# Altium PCB PCB1.PcbDoc
Units mm, origin at the board's own origin, x right, y up, seen from the top; angles counter-clockwise.
Board outline 91 x 73 mm, 2 copper layers (Top Layer, Bottom Layer); 66 components, 111 nets, 389 pads, 36 vias.
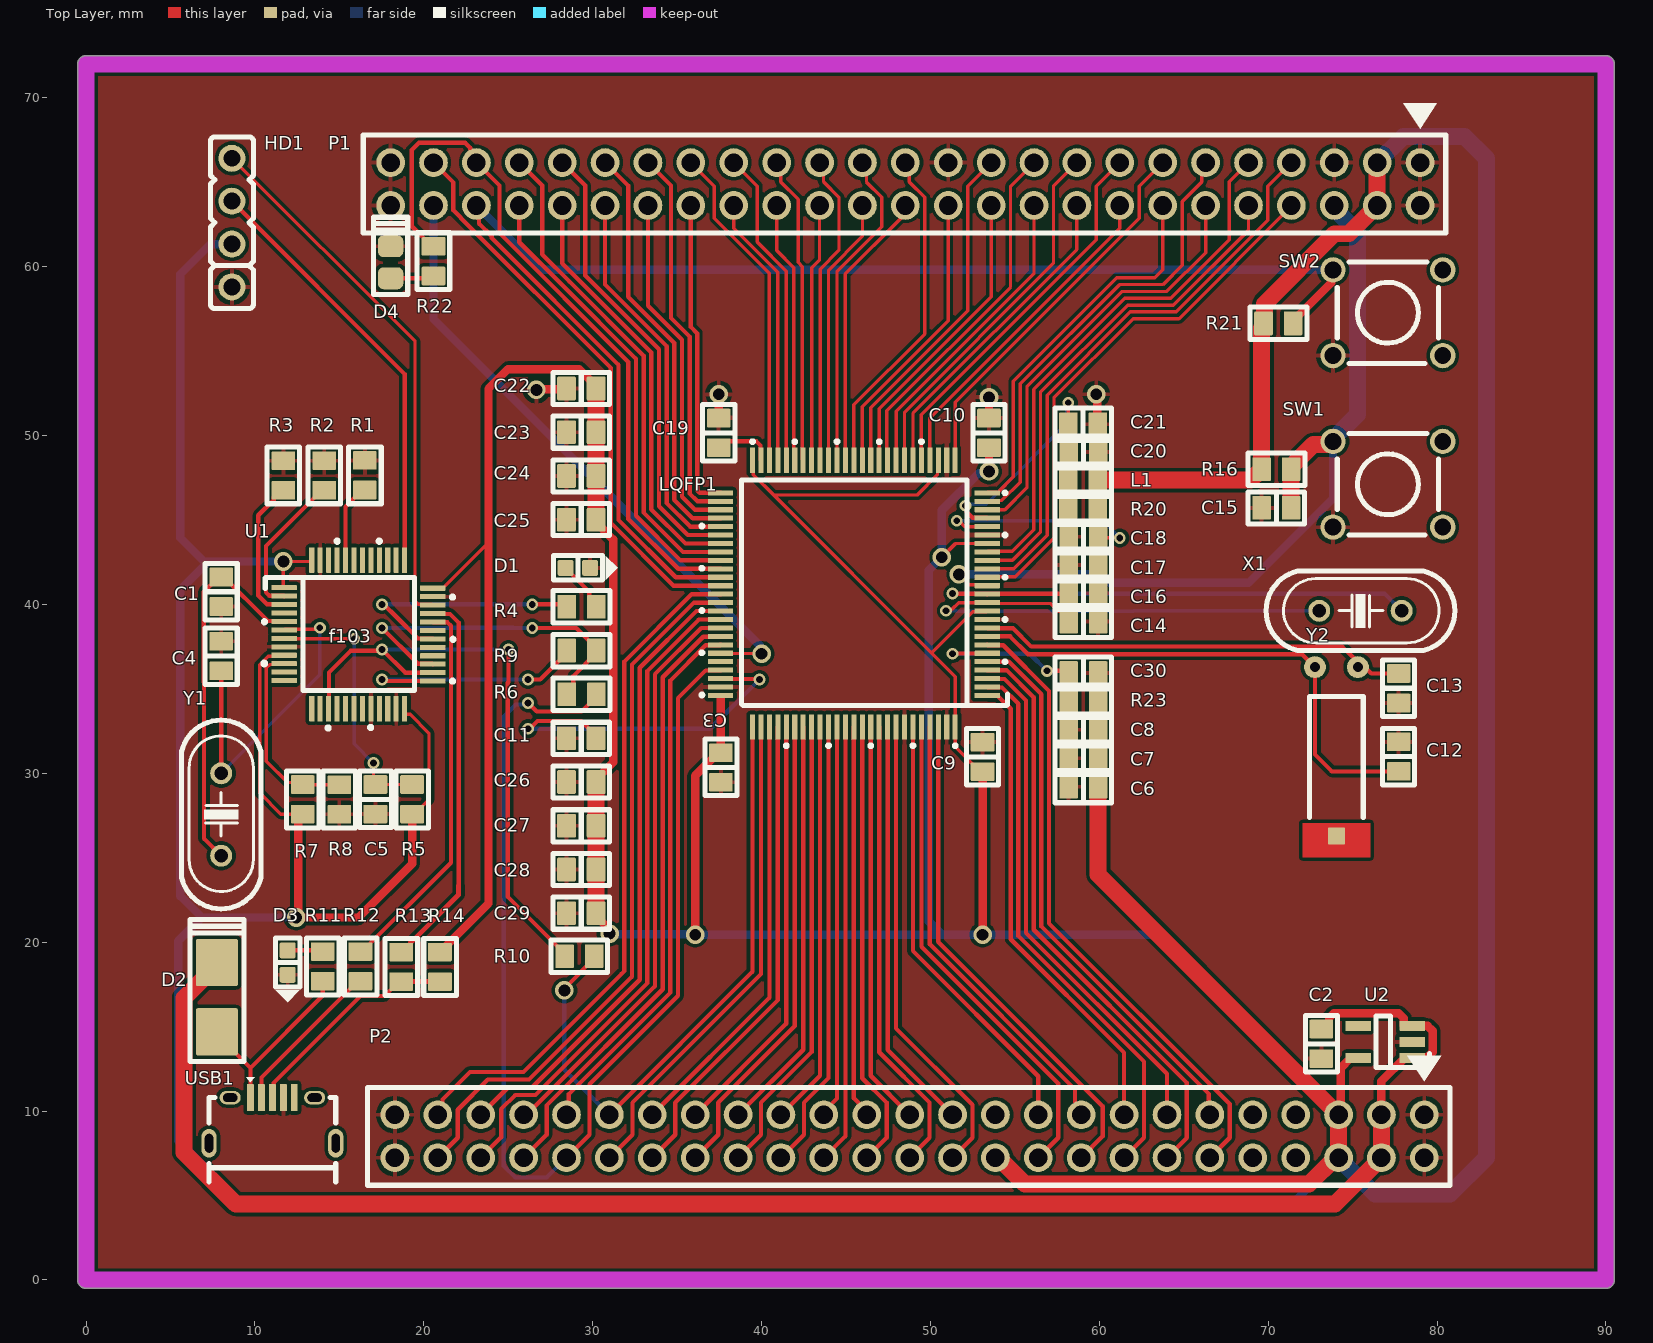
[diagram p0: Top Layer view]
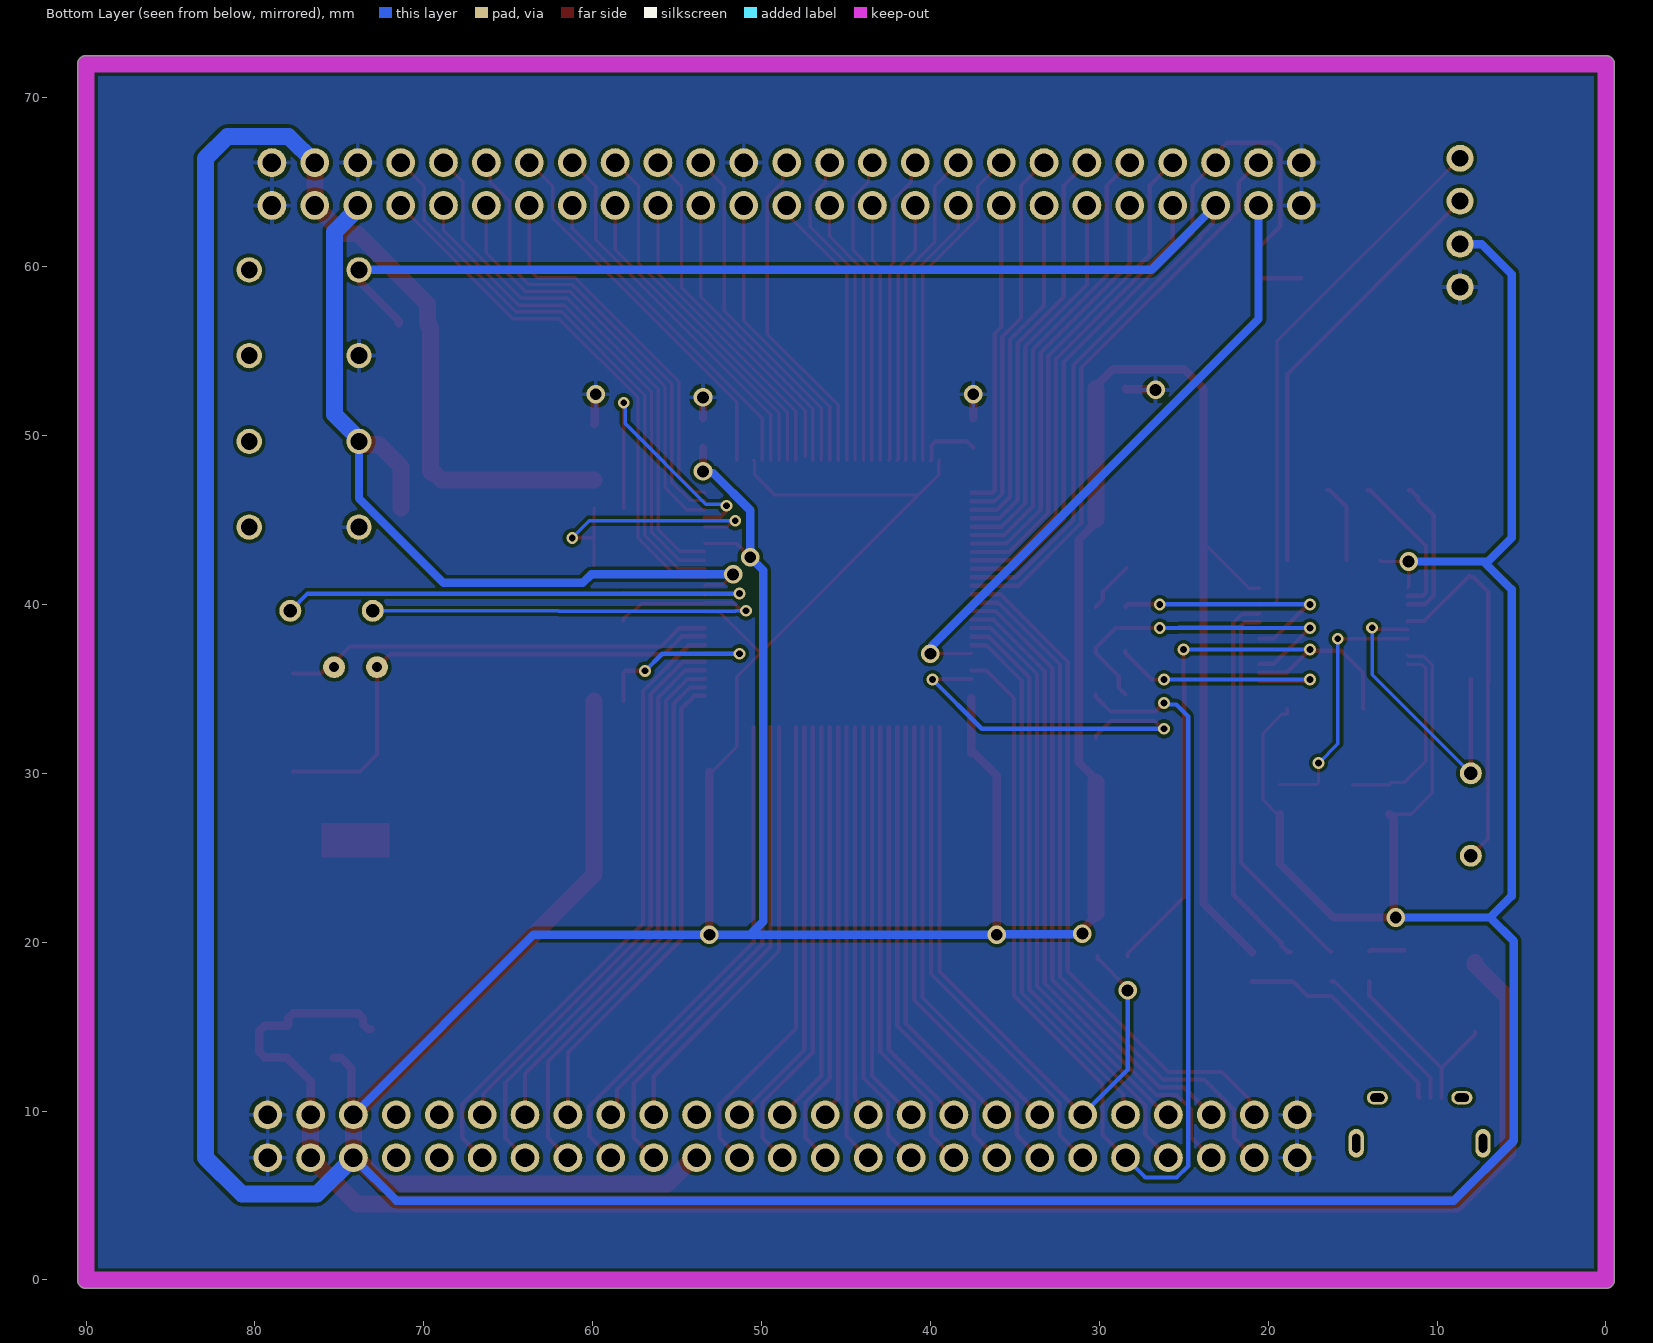
[diagram p1: Bottom Layer view, seen from below]

## Layer stack, top to bottom
Top Solder: solder mask 0.0102, Solder Resist, Dk 3.5
Top Layer: signal copper 0.0356
Dielectric 1: dielectric 0.32, FR-4, Dk 4.8
Bottom Layer: signal copper 0.0356
Bottom Solder: solder mask 0.0102, Solder Resist, Dk 3.5

## Board outline
0,-0.5 cw(c0,0) -0.5,0 -0.5,72 cw(c0,72) 0,72.5 90,72.5 cw(c90,72) 90.5,72 90.5,0 cw(c90,0) 90,-0.5

## Design rules (kind name [scope] priority, off if disabled: settings)
Clearance [All] p1: gap=0.2 ignorepadtopadclearanceinfootprint=FALSE
PlaneConnect [All] p1: planeconnectstyle=Relief reliefexpansion=0.3 reliefentries=4 reliefconductorwidth=0.2 reliefairgap=0.2
PolygonConnect [All] p1: connectstyle=Relief reliefconductorwidth=0.254 reliefentries=4 polygonreliefangle="90 Angle" airgapwidth=0.254
RoutingVias RoutingVias_power [InNetClass('power')] p1: holewidth=0.7 width=1.1 viastyle="Through Hole" minholewidth=0.7 minwidth=1.1 maxholewidth=0.7 maxwidth=1.1
RoutingVias RoutingVias_signal [All] p2: holewidth=0.4 width=0.7 viastyle="Through Hole" minholewidth=0.4 minwidth=0.7 maxholewidth=0.4 maxwidth=0.7
SolderMaskExpansion [All] p1: expansion=0.102 istentingtop=FALSE
Width Width_power [InNetClass('power')] p1: maxlimit=1 minlimit=0.2 preferedwidth=0.5
Width Width_signal [All] p2: maxlimit=0.5 minlimit=0.2 preferedwidth=0.3
29 further rules are at their usual default settings.

## Classes and differential pairs
net class power: +3V3 +5V GND NRST PA0 PA1 PA2 PA3 PA4 PA5 PA6 PA7 PA8 PA9 PA10 PA11 PA15 PB0 PB1 PB2 PB3 PB4 PB5 PB6 PB7 PB8 PB9 PB10 PB11 PB12 PB13 PB14 PB15 PC0 PC1 PC2 PC3 PC4 PC5 PC6 PC7 PC8 PC9 PC10 PC11 PC12 PC13 PD0 PD1 PD2 PD3 PD4 PD5 PD6 PD7 PD8 PD9 PD10 PD11 PD12 PD13 PD14 PD15 PE0 PE1 PE2 PE3 PE4 PE5 PE6 PE7 PE8 PE9 PE10 PE11 PE12 PE13 PE14 PE15 ST_SWCLK ST_SWDIO SWCLK
component class Sheet3: C11 C12 C13 C14 C15 C16 C17 C18 C19 C20 C21 C22 C23 C24 C25 C26 C27 C28 C29 C30 D4 L1 R16 R20 R21 R22 R23 SW1 SW2 X1 Y2
component class Sheet2: C1 C2 C3 C4 C5 C6 C7 C8 C9 C10 D1 D2 D3 HD1 R1 R2 R3 R4 R5 R6 R7 R8 R9 R10 R11 R12 R13 R14 U1 U2 USB1 Y1
component class Sheet1: P1 P2

## Components (designator, comment, footprint, x,y, rotation, side; value= is the part's Value field where it differs from the comment)
C1 "Cap" "Cap Ceramic 0805 SMD" 8.001,40.753 r90 top value=22pF
C2 "Cap" "Cap Ceramic 0805 SMD" 73.152,13.984 r90 top value=0.1uF
C3 "Cap" "Cap Ceramic 0805 SMD" 37.592,30.353 r90 top value=0.1uF
C4 "Cap" "Cap Ceramic 0805 SMD" 8.001,36.943 r270 top value=22pF
C5 "Cap" "Cap Ceramic 0805 SMD" 17.135,28.463 r270 top value=100nF
C6 "Cap" "Cap Ceramic 0805 SMD" 59.055,29.21 r0 top value=100nF
C7 "Cap" "Cap Ceramic 0805 SMD" 59.055,30.893 r0 top value=100nF
C8 "Cap" "Cap Ceramic 0805 SMD" 59.055,32.575 r0 top value=100nF
C9 "Cap" "Cap Ceramic 0805 SMD" 53.086,30.974 r270 top value=100nF
C10 "Cap" "Cap Ceramic 0805 SMD" 53.467,50.165 r270 top value=100nF
C11 "2.2uF" "Cap Ceramic 0805 SMD" 29.323,32.075 r0 top
C12 "6.8pF" "Cap Ceramic 0805 SMD" 77.724,30.988 r90 top
C13 "6.8pF" "Cap Ceramic 0805 SMD" 77.724,35.038 r270 top
C14 "20pF" "Cap Ceramic 0805 SMD" 59.055,38.989 r0 top
C15 "10nF/50V/C0603/10%" "Cap Ceramic 0805 SMD" 70.485,45.72 r0 top
C16 "20pF" "Cap Ceramic 0805 SMD" 59.055,40.661 r0 top
C17 "1uF" "Cap Ceramic 0805 SMD" 59.055,42.333 r0 top
C18 "100nF" "Cap Ceramic 0805 SMD" 59.055,44.005 r0 top
C19 "2.2uF" "Cap Ceramic 0805 SMD" 37.465,50.165 r270 top
C20 "1uF" "Cap Ceramic 0805 SMD" 59.055,49.022 r0 top
C21 "100nF" "Cap Ceramic 0805 SMD" 59.041,50.673 r0 top
C22 "100nF" "Cap Ceramic 0805 SMD" 29.323,52.79 r0 top
C23 "100nF" "Cap Ceramic 0805 SMD" 29.323,50.2 r0 top
C24 "100nF" "Cap Ceramic 0805 SMD" 29.323,47.611 r0 top
C25 "100nF" "Cap Ceramic 0805 SMD" 29.323,45.021 r0 top
C26 "100nF" "Cap Ceramic 0805 SMD" 29.323,29.485 r0 top
C27 "100nF" "Cap Ceramic 0805 SMD" 29.323,26.896 r0 top
C28 "100nF" "Cap Ceramic 0805 SMD" 29.323,24.306 r0 top
C29 "100nF" "Cap Ceramic 0805 SMD" 29.323,21.717 r0 top
C30 "1uF" "Cap Ceramic 0805 SMD" 59.055,35.941 r180 top
D1 "GREEN 0603" "LED 0603 SMD" 29.12,42.164 r0 top
D2 "1N4007_SMD" "1n4007 smd DO214" 7.747,16.746 r90 top
D3 "GREEN 0603" "LED 0603 SMD" 11.938,18.796 r270 top
D4 "GREEN 0603" "Led 0805G" 18.034,60.264 r90 top
HD1 "Programer ST_LINK" Header_4 8.636,62.611 r90 top value="Header 4"
L1 "150mH" "Res 0805 SMD" 59.04,47.36 r180 top value="150 mH"
LQFP1 "STM32F407VG_Q" STM32F407VG 45.466,40.64 r180 top
P1 "Header25*2" hearder25doi 78.994,66.167 r270 top
P2 "Header25*2" hearder25doi 79.248,9.779 r270 top
R1 "Res2" "Res 0805 SMD" 16.51,47.654 r90 top value=100K
R2 "Res2" "Res 0805 SMD" 14.102,47.639 r270 top value=10K
R3 "Res2" "Res 0805 SMD" 11.684,47.639 r270 top value=10K
R4 "Res2" "Res 0805 SMD" 29.338,39.863 r0 top value=100R
R5 "Res2" "Res 0805 SMD" 19.304,28.463 r90 top value=100k
R6 "Res2" "Res 0805 SMD" 29.338,34.684 r0 top value=22R
R7 "Res2" "Res 0805 SMD" 12.827,28.463 r90 top value=4K7
R8 "Res2" "Res 0805 SMD" 14.996,28.448 r270 top value=4K7
R9 "Res2" "Res 0805 SMD" 29.338,37.273 r0 top value=100R
R10 "Res2" "Res 0805 SMD" 29.21,19.177 r0 top value=22R
R11 "Res2" "Res 0805 SMD" 14.019,18.571 r90 top value=22E
R12 "Res2" "Res 0805 SMD" 16.247,18.571 r90 top value=22E
R13 "Res2" "Res 0805 SMD" 18.669,18.542 r90 top value=22E
R14 "Res2" "Res 0805 SMD" 20.955,18.542 r90 top value=22E
R16 "15K/R0603/1%" "Res 0805 SMD" 70.485,48.006 r180 top
R20 "47" "Res 0805 SMD" 59.04,45.688 r180 top
R21 "10K" "Res 0805 SMD" 70.598,56.642 r180 top
R22 "Res2" "Res 0805 SMD" 20.574,60.325 r270 top value=22
R23 "0" "Res 0805 SMD" 59.055,34.278 r0 top
SW1 "SW" "BUTTON 4 PIN" 77.089,47.117 r0 top value="SW chip 2 pin"
SW2 "SW" "BUTTON 4 PIN" 77.089,57.277 r0 top value="SW chip 2 pin"
U1 "STM32F103C8T6_Q" STM32F103C8T6_Q 16.129,38.227 r0 top
U2 "TLV73333PDBVR" "TLV73333PDBVR - SOT23-65" 76.835,14.097 r90 top
USB1 "USB_TYPE_B" USB_MICRO_B 9.734,10.795 r0 top
X1 "8Mhz" CRYSTAL 75.465,39.624 r180 top value=32,768khz
Y1 "8MHz" CRYSTAL 8.001,27.559 r270 top
Y2 "FC-135R - 32.768KHz" CR_32768 74.041,36.289 r180 top value=32.768KHz

## Footprints (in the part's own frame and the unit in brackets; to place one, negate y for a bottom-side part, rotate by r counter-clockwise, add the part's x,y. Pads: shape width x height; smd on the part's side, far side on the other; paste and mask are expansions set on the pad)
"1n4007 smd DO214" [mm] "DO214 4.57x2.79mm"
  rrect10% 2.8x2.5 smd mask+0.1: 1(-2.05,0) 2(2.05,0)
  silkscreen extent -3.8,-1.6 4.6,1.6, body extent -2.6,-1.3 2.6,1.3, height 2.5
"BUTTON 4 PIN" [mm] "4PIN 6X6MM"
  round 1.5 hole 1: 1(-3.25,2.54) 2(3.25,2.54) 3(-3.25,-2.54) 4(3.25,-2.54)
  silkscreen extent -3,-3 3,3, body extent -4,-3 3.97,3, height 4.9
"Cap Ceramic 0805 SMD" [mm] "Reflow Soldering"
  rrect10% 1.1x1.4 smd mask+0.1: 1(-0.875,0) 2(0.875,0)
  silkscreen extent -1.68,-0.95 1.68,0.95, body extent -1,-0.63 1,0.62, height 0.65
CR_32768 [mm] "32.768 KHz LOW FREQUENCY CYLINDRICALWATCH CRYSTAL"
  rrect10% 1x1 smd mask+0.1: 0(0,10)
  round 1.3 hole 0.6 mask+0.1: 1(-1.27,0) 2(1.27,0)
  Top Layer region: -2,9.25 -2,11.25 2,11.25 2,9.25
  silkscreen extent -1.59,1.75 1.59,8.9, body extent -1.73,-0.6 1.73,10.18, height 3.2
CRYSTAL [mm] "Quartz Crystal, Thru-Hole; 2 Leads; Body 11.35 x 4.65 x 13.46 mm (LxWxH max)"
  round 1.3 hole 0.8 mask+0.1: 1(-2.44,0) 2(2.44,0)
  silkscreen extent -5.59,-2.35 5.59,2.35, body extent -5.49,-2.25 5.49,2.25, height 3.6
Header_4 [mm] "Connector DIP, 4Pin_2.54mm"
  round 1.6 hole 1 mask+0.1: 1(-3.81,0) 2(-1.27,0) 3(1.27,0) 4(3.81,0)
  silkscreen extent -5.08,-1.28 5.08,1.28, body extent -5.08,-1.27 5.08,1.27, height 10.1
hearder25doi [mm] "50c"
  round 1.7 hole 1.1 mask+0.1: 1(0,0) 2(0,-2.54) 3(0,-5.08) 4(0,-7.62) 5(0,-10.16) 6(0,-12.7) 7(0,-15.24) 8(0,-17.78) 9(0,-20.32) 10(0,-22.86) 11(0,-25.4) 12(0,-27.94) 13(0,-30.48) 14(0,-33.02) 15(0,-35.56) 16(0,-38.1) 17(0,-40.64) 18(0,-43.18) 19(0,-45.72) 20(0,-48.26) 21(0,-50.8) 22(0,-53.34) 23(0,-55.88) 24(0,-58.42) 25(0,-60.96) 26(2.54,-60.96) 27(2.54,-58.42) 28(2.54,-55.88) 29(2.54,-53.34) 30(2.54,-50.8) 31(2.54,-48.26) 32(2.54,-45.72) 33(2.54,-43.18) 34(2.54,-40.64) 35(2.54,-38.1) 36(2.54,-35.56) 37(2.54,-33.02) 38(2.54,-30.48) 39(2.54,-27.94) 40(2.54,-25.4) 41(2.54,-22.86) 42(2.54,-20.32) 43(2.54,-17.78) 44(2.54,-15.24) 45(2.54,-12.7) 46(2.54,-10.16) 47(2.54,-7.62) 48(2.54,-5.08) 49(2.54,-2.54) 50(2.54,0)
  silkscreen extent -3.5,-62.58 4.17,1.52, body extent -1.13,-62.04 3.95,1.42, height 7.25
"LED 0603 SMD" [mm] "Reflow Soldering"
  rrect25% 0.95x0.95 smd mask+0.1: 1(-0.725,0) 2(0.725,0)
  silkscreen extent -1.45,-0.73 2.35,0.73, body extent -0.85,-0.45 0.85,0.45, height 0.9
"Led 0805G" [mm] "Chip LED; Green; Body 2.0 x 1.3 mm (LxW typ)"
  rrect50% 1.3x1.5 smd: 1(-0.95,0) 2(0.95,0)
  silkscreen extent -1.91,-1.02 2.67,1.02, body extent -1.04,-0.62 0.98,0.62, height 1.1
"Res 0805 SMD" [mm] "Reflow Soldering"
  rrect10% 1.1x1.4 smd mask+0.1: 1(-0.875,0) 2(0.875,0)
  silkscreen extent -1.69,-0.97 1.67,0.96, body extent -1,-0.62 1,0.63, height 0.62
STM32F103C8T6_Q [mm] "LQFP48"
  rrect10% 1.5x0.3 smd mask+0.07: 1(-4.4,2.765) 2(-4.4,2.265) 3(-4.4,1.765) 4(-4.4,1.265) 5(-4.4,0.765) 6(-4.4,0.265) 7(-4.4,-0.235) 8(-4.4,-0.735) 9(-4.4,-1.235) 10(-4.4,-1.735) 11(-4.4,-2.235) 12(-4.4,-2.735) 25(4.4,-2.765) 26(4.4,-2.265) 27(4.4,-1.765) 28(4.4,-1.265) 29(4.4,-0.765) 30(4.4,-0.265) 31(4.4,0.235) 32(4.4,0.735) 33(4.4,1.235) 34(4.4,1.735) 35(4.4,2.235) 36(4.4,2.735)
  rrect10% 0.3x1.5 smd mask+0.07: 13(-2.765,-4.4) 14(-2.265,-4.4) 15(-1.765,-4.4) 16(-1.265,-4.4) 17(-0.765,-4.4) 18(-0.265,-4.4) 19(0.235,-4.4) 20(0.735,-4.4) 21(1.235,-4.4) 22(1.735,-4.4) 23(2.235,-4.4) 24(2.735,-4.4) 37(2.735,4.4) 38(2.235,4.4) 39(1.735,4.4) 40(1.235,4.4) 41(0.735,4.4) 42(0.235,4.4) 43(-0.265,4.4) 44(-0.765,4.4) 45(-1.265,4.4) 46(-1.765,4.4) 47(-2.265,4.4) 48(-2.765,4.4)
  silkscreen extent -5.66,-5.6 5.65,5.58, body extent -4.5,-4.5 4.5,4.5, height 1.3
STM32F407VG [mm] "LQFP100"
  rrect10% 1.5x0.3 smd mask+0.07: 1(-7.9,6.03) 2(-7.9,5.53) 3(-7.9,5.03) 4(-7.9,4.53) 5(-7.9,4.03) 6(-7.9,3.53) 7(-7.9,3.03) 8(-7.9,2.53) 9(-7.9,2.03) 10(-7.9,1.53) 11(-7.9,1.03) 12(-7.9,0.53) 13(-7.9,0.03) 14(-7.9,-0.47) 15(-7.9,-0.97) 16(-7.9,-1.47) 17(-7.9,-1.97) 18(-7.9,-2.47) 19(-7.9,-2.97) 20(-7.9,-3.47) 21(-7.9,-3.97) 22(-7.9,-4.47) 23(-7.9,-4.97) 24(-7.9,-5.47) 25(-7.9,-5.97) 51(7.9,-5.97) 52(7.9,-5.47) 53(7.9,-4.97) 54(7.9,-4.47) 55(7.9,-3.97) 56(7.9,-3.47) 57(7.9,-2.97) 58(7.9,-2.47) 59(7.9,-1.97) 60(7.9,-1.47) 61(7.9,-0.97) 62(7.9,-0.47) 63(7.9,0.03) 64(7.9,0.53) 65(7.9,1.03) 66(7.9,1.53) 67(7.9,2.03) 68(7.9,2.53) 69(7.9,3.03) 70(7.9,3.53) 71(7.9,4.03) 72(7.9,4.53) 73(7.9,5.03) 74(7.9,5.53) 75(7.9,6.03)
  rrect10% 0.3x1.5 smd mask+0.07: 26(-6,-7.9) 27(-5.5,-7.9) 28(-5,-7.9) 29(-4.5,-7.9) 30(-4,-7.9) 31(-3.5,-7.9) 32(-3,-7.9) 33(-2.5,-7.9) 34(-2,-7.9) 35(-1.5,-7.9) 36(-1,-7.9) 37(-0.5,-7.9) 38(0,-7.9) 39(0.5,-7.9) 40(1,-7.9) 41(1.5,-7.9) 42(2,-7.9) 43(2.5,-7.9) 44(3,-7.9) 45(3.5,-7.9) 46(4,-7.9) 47(4.5,-7.9) 48(5,-7.9) 49(5.5,-7.9) 50(6,-7.9) 76(6,7.9) 77(5.5,7.9) 78(5,7.9) 79(4.5,7.9) 80(4,7.9) 81(3.5,7.9) 82(3,7.9) 83(2.5,7.9) 84(2,7.9) 85(1.5,7.9) 86(1,7.9) 87(0.5,7.9) 88(0,7.9) 89(-0.5,7.9) 90(-1,7.9) 91(-1.5,7.9) 92(-2,7.9) 93(-2.5,7.9) 94(-3,7.9) 95(-3.5,7.9) 96(-4,7.9) 97(-4.5,7.9) 98(-5,7.9) 99(-5.5,7.9) 100(-6,7.9)
  silkscreen extent -9.1,-9.05 9.05,9.05, body extent -8.07,-8.07 8.07,8.07, height 1.62
"TLV73333PDBVR - SOT23-65" [mm] "IC REG LINEAR 3.3V 300MA SOT23-5"
  rrect10% 0.6x1.5 smd: 1(-0.95,-1.7) 2(0,-1.7) 3(0.95,-1.7) 4(0.95,1.5) 5(-0.95,1.5)
  silkscreen extent -1.53,-2.73 1.53,0.46, body extent -1.5,-1.25 1.5,1.25, height 0.95
USB_MICRO_B [mm] "USB_MICRO_B, banlinhkien"
  rrect10% 0.4x1.6 smd: 1(0,0) 2(0.65,0) 3(1.3,0) 4(1.95,0) 5(2.6,0)
  oval 0.9x1.7 hole 0.5 slot 1.1 at 90 deg: ""(-2.45,-2.7) ""(5.05,-2.7)
  oval 1.25x0.8 hole 0.85 slot 0.5 at 90 deg: ""(-1.2,0) ""(3.8,0)
  silkscreen extent -2.45,-5 5.05,1.22, body extent -2.45,-5 5.05,0.29, height 2.61

## Part data
C1 C2 C3 C4 C5 C6 C7 C8 C9 C10: "Capacitor", LatestRevisionDate=17-Jul-2002, LatestRevisionNote="Re-released for DXP Platform.", PackageReference=RAD-0.3, Published=8-Jun-2000, Publisher="Altium Limited"
C11 C12 C13 C14 C16 C17 C18 C19 C20 C21 C22 C23 C24 C25 C26 C27 C28 C29 C30: library part 22pF/50V/C0603/10%, "CAP CER 22PF 50V NP0 0603", Capacitance=22pF, Manufacturer=Kemet, Manufacturer Part Number=C0603C220K5GACTU, Operating Temperature="-55°C ~ 125°C", Package / Case="0603 (1608 Metric)", Ratings=-, Supplier Part Number 1=399-7875-1-ND, Temperature Coefficient="C0G, NP0", Tolerance=±10%, Voltage - Rated=50V, Applications="General Purpose", Category=Capacitors, ComponentLink1Description=http://www.kemet.com/docfinder?Partnumber=C0603C220K5GACTU, ComponentLink1URL=http://www.kemet.com/docfinder?Partnumber=C0603C220K5GACTU, Features=-, Height - Seated (Max)=-, Lead Spacing=-, Lead Style=-, Mounting Type="Surface Mount, MLCC", Packaging=Digi-Reel®, RoHS="RoHS Compliant", Size / Dimension="0.063\" L x 0.031\" W (1.60mm x 0.80mm)", Supplier 1=Digi-Key, Thickness (Max)="0.034\" (0.87mm)"
C15: library part 10nF/50V/C0603/10%_1, "CAP CER 10000PF 50V X7R 0603", Capacitance=10000pF, Manufacturer="Murata Electronics North America", Manufacturer Part Number=GRM188R71H103KA01D, Operating Temperature="-55°C ~ 125°C", Package / Case="0603 (1608 Metric)", Ratings=-, Supplier Part Number 1=490-1512-1-ND, Temperature Coefficient=X7R, Tolerance=±10%, Voltage - Rated=50V, Applications="General Purpose", Category=Capacitors, ComponentLink1Description=http://www.murata.com/~/media/webrenewal/support/library/catalog/products/capacitor/mlcc/c02e.ashx, ComponentLink1URL=http://www.murata.com/~/media/webrenewal/support/library/catalog/products/capacitor/mlcc/c02e.ashx, Features=-, Height - Seated (Max)=-, Lead Spacing=-, Lead Style=-, Mounting Type="Surface Mount, MLCC", Packaging="Cut Tape (CT)", RoHS="RoHS Compliant", Size / Dimension="0.063\" L x 0.031\" W (1.60mm x 0.80mm)", Supplier 1=Digi-Key, Thickness (Max)="0.035\" (0.90mm)"
D1 D3 D4: library part "LED GREEN 0603", "LED GREEN CLEAR 0603 SMD", Color=Green, Current - Test=20mA, Lens Color=Colorless, Manufacturer="Lite-On Inc.", Manufacturer Part Number=LTST-C190KGKT, Millicandela Rating=35mcd, Package / Case="0603 (1608 Metric)", Supplier Part Number 1=160-1435-1-ND, Voltage - Forward (Vf) (Typ)=2V, Category=Optoelectronics, ComponentLink1Description=http://optoelectronics.liteon.com/upload/download/DS22-2000-074/S_110_LTST-C190KGKT.pdf, ComponentLink1URL=http://optoelectronics.liteon.com/upload/download/DS22-2000-074/S_110_LTST-C190KGKT.pdf, Features=-, Height (Max)=0.80mm, Lens Style/Size="Rectangle with Flat Top, 1.10mm x 0.80mm", Lens Transparency=Clear, Mounting Type="Surface Mount", Packaging="Cut Tape (CT)", RoHS="RoHS Compliant", Size / Dimension="1.60mm L x 0.80mm W", Supplier 1=Digi-Key, Viewing Angle=130°, Wavelength - Dominant=571nm, Wavelength - Peak=574nm
D2: "Diode LS 1A 1000V DO214-AC", ComponentLink1Description=Datasheet, ComponentLink1URL="D:\Dropbox\Datasheets\Diodes and Rectifiers\Diodes\1N400X.pdf", Unit Price=0.0072
HD1: library part Header4, "Header 4"
L1: library part L1, "Inductor"
R1 R2 R3 R4 R5 R6 R7 R8 R9 R10 R11 R12 R13 R14 R22: "Resistor", LatestRevisionDate=17-Jul-2002, LatestRevisionNote="Re-released for DXP Platform.", PackageReference=AXIAL-0.4, Published=8-Jun-2000, Publisher="Altium Limited"
R16 R21: library part 15K/R0603/1%_1, "RES SMD 15K OHM 1% 1/10W 0603", Manufacturer=Yageo, Manufacturer Part Number=RC0603FR-0715KL, Operating Temperature="-55°C ~ 155°C", Package / Case="0603 (1608 Metric)", Power (Watts)="0.1W, 1/10W", Resistance (Ohms)=15k, Supplier Device Package=0603, Supplier Part Number 1=311-15.0KHRCT-ND, Temperature Coefficient=±100ppm/°C, Tolerance=±1%, Category=Resistors, ComponentLink1Description=http://www.yageo.com/NewPortal/yageodocoutput?fileName=/pdf/R-Chip/PYu-RC_Group_51_RoHS_L_3.pdf, ComponentLink1URL=http://www.yageo.com/NewPortal/yageodocoutput?fileName=/pdf/R-Chip/PYu-RC_Group_51_RoHS_L_3.pdf, Composition="Thick Film", Features="Moisture Resistant", Height="0.022\" (0.55mm)", Number of Terminations=2, Packaging=Digi-Reel®, RoHS="RoHS Compliant", Size / Dimension="0.063\" L x 0.031\" W (1.60mm x 0.80mm)", Supplier 1=Digi-Key
R20 R23: library part 10K/R0603/1%, "RES SMD 10K OHM 1% 1/10W 0603", Manufacturer=Yageo, Manufacturer Part Number=RC0603FR-0710KL, Operating Temperature="-55°C ~ 155°C", Package / Case="0603 (1608 Metric)", Power (Watts)="0.1W, 1/10W", Resistance (Ohms)=10k, Supplier Device Package=0603, Supplier Part Number 1=311-10.0KHRTR-ND, Temperature Coefficient=±100ppm/°C, Tolerance=±1%, Category=Resistors, ComponentLink1Description=http://www.yageo.com/NewPortal/yageodocoutput?fileName=/pdf/R-Chip/PYu-RC_Group_51_RoHS_L_3.pdf, ComponentLink1URL=http://www.yageo.com/NewPortal/yageodocoutput?fileName=/pdf/R-Chip/PYu-RC_Group_51_RoHS_L_3.pdf, Composition="Thick Film", Features="Moisture Resistant", Height="0.022\" (0.55mm)", Number of Terminations=2, Packaging="Tape & Reel (TR)", Pricing 1="5000=0.00167, 10000=0.00145, 25000=0.00128, 50000=0.00117, 125000=0.00115 (USD)", RoHS="RoHS Compliant", Size / Dimension="0.063\" L x 0.031\" W (1.60mm x 0.80mm)", Stock 1=11440000, Supplier 1=Digi-Key
SW1 SW2: library part SW2, "Switch button 2 pin"
U2: library part 20#TLV73333PDBVR, "Linear Voltage Regulator IC Positive Fixed 1 Output 3.3V 300mA SOT-23-5", Digikey=296-40673-1-ND
USB1: "USB TYPE B"
X1: library part XT32k, "Crystal 32,768kHz for timer real"
Y1: library part XTAL, "Crystal Oscillator", Farnell=1611803, LatestRevisionDate=17-Jul-2002, LatestRevisionNote="Re-released for DXP Platform.", PackageReference=R38, Published=8-Jun-2000, Publisher="Altium Limited"
Y2: "Crystal FC-135R - 32.768KHz", ComponentLink1Description=Datasheet, ComponentLink1URL="D:\Dropbox\Datasheets\Passive Components\Crystals\HC49S.pdf", Unit Price=0.0440

## Via types
v1: diameter 0.7, hole 0.4, Top Layer to Bottom Layer, 22 vias
v2: diameter 1.1, hole 0.7, Top Layer to Bottom Layer, 14 vias

## Nets (pads, with @x,y where several pads share a name; then routed paths per layer and width w, separated by ;. In a path a pad name is that pad's centre, name@x,y a point inside that pad or via, vN(x,y) a via of type N, cw(c..) or ccw(c..) an arc to the next point about the centre after c; other vN are vias at no path point)
+3V3: C3.2 C6.2 C7.2 C8.2 C9.2 C10.2 C22.2 C23.2 C24.2 C25.2 C26.2 C27.2 C28.2 C29.2 HD1.2 L1.1 LQFP1.11 LQFP1.19 LQFP1.28 LQFP1.50 LQFP1.75 LQFP1.100 P1.2 P1.49 P2.3 P2.40 P2.48 R5.1 R7.1 R14.2 R16.2 R21.2 R23.2 U1.1 U1.9 U1.24 U1.36 U1.48 U2.5 | length 572.2
  Top Layer w0.2: U1.9 11.679,36.942 10.798,36.942 10.279,36.423 10.279,28.837 11.528,27.588 R7.1 ; U1.1 11.684,41.037 v2(11.684,42.545) 13.314,42.545 13.364,42.595 U1.48 ; U1.24 18.864,33.544 18.914,33.494 19.197,33.494 20.304,32.387 20.304,28.438 19.454,27.588 R5.1 ; U1.36 21.129,40.962 23.728,43.561 23.83,43.561 ; LQFP1.50 39.516,48.49 39.516,47.675 40.709,46.482 ; LQFP1.28 50.416,48.49 50.416,47.675 49.223,46.482 40.709,46.482 ; v2(50.673,42.799) 51.484,43.61 LQFP1.19 ; C9.2 52.936,30.099 51.466,31.569 LQFP1.100 51.466,35.725 50.072,37.118 ; LQFP1.11 53.316,39.56 52.501,39.56 50.072,37.132 50.072,37.118 ; 40.709,46.482 50.072,37.118
  Top Layer w0.5: R7.1 12.561,27.322 12.561,21.578 v2(12.446,21.463) 16.129,21.463 19.304,24.638 R5.1 ; R14.2 23.83,22.292 23.83,43.561 23.83,52.786 24.984,53.94 29.198,53.94 30.198,52.94 C22.2 ; C29.2 30.198,21.567 v2@30.885,20.88 ; C26.2 30.198,29.635 31.213,30.65 31.213,43.857 30.198,44.871 C25.2 ; v2(36.068,20.447) 36.068,29.854 37.442,31.228 C3.2 LQFP1.75@37.592,34.484 ; v2(53.086,20.447) C9.2 ; v2(53.467,47.879) C10.2 ; P2.3 74.302,9.913 74.302,12.564 74.885,13.147 U2.5
  Top Layer w1: C29.2 C28.2 C27.2 C26.2 ; C25.2 C24.2 C23.2 C22.2 ; P2.40 54.037,7.239 55.587,5.689 72.429,5.689 73.979,7.239 P2.48 P2.3 59.93,24.017 C6.2 C7.2 C8.2 R23.2 ; L1.1 68.964,47.36 69.41,47.806 69.56,47.806 69.61,47.856 R16.2 69.61,56.379 69.723,56.492 R21.2 69.773,56.692 69.773,57.802 73.927,61.955 74.782,61.955 P1.49 P1.2
  Bottom Layer w0.5: HD1.2 7.366,61.341 5.588,59.563 5.588,43.942 6.985,42.545 7.239,42.545 ; v2(11.684,42.545) 7.239,42.545 ; v2@12.509,21.526 v2(12.446,21.463) 6.858,21.463 ; v2(31,20.509) 31.031,20.478 36.037,20.478 v2(36.068,20.447) 50.673,20.447 ; v2(53.467,47.879) 53.352,47.764 52.856,47.764 52.788,47.697 50.673,45.581 v2(50.673,42.799) 49.993,42.119 49.911,42.037 49.911,21.209 50.673,20.447 ; P2.48 71.628,4.699 9.007,4.699 5.461,8.245 5.461,20.066 6.858,21.463 ; P2.3 63.5,20.447 v2(53.086,20.447) 50.673,20.447 ; 6.858,21.463 5.588,22.733 5.588,40.894 7.239,42.545
  Bottom Layer w1: P2.48 76.327,5.08 80.772,5.08 82.931,7.239 82.931,66.421 81.635,67.717 78.004,67.717 P1.2
+5V: C2.2 D2.2 P2.2 P2.49 U2.1 U2.3 | length 102.7
  Top Layer w0.5: C2.2 73.302,14.859 73.602,15.159 73.602,15.504 73.895,15.797 77.727,15.797 78.035,15.489 78.035,15.097 78.085,15.047 79.442,15.047 79.735,14.754 79.735,13.49 79.442,13.197 78.585,13.197 U2.1 78.085,13.147 76.708,11.77 P2.2
  Top Layer w1: D2.2 7.747,18.646 5.797,16.696 5.797,7.556 8.864,4.489 73.958,4.489 P2.49 P2.2
GND: C1.1 C2.1 C3.1 C4.1 C5.2 C6.1 C7.1 C8.1 C9.1 C10.1 C11.1 C12.2 C13.2 C14.2 C15.1 C16.2 C17.1 C18.1 C19.1 C20.2 C21.2 C22.1 C23.1 C24.1 C25.1 C26.1 C27.1 C28.1 C29.1 C30.1 D1.2 D3.2 D4.2 HD1.1 LQFP1.10 LQFP1.20 LQFP1.27 LQFP1.74 LQFP1.94 LQFP1.99 P1.1 P1.3 P1.12 P1.25 P1.26 P1.50 P2.1 P2.25 P2.26 P2.50 R1.2 R2.1 R3.1 R8.2 SW1.3 SW2.3 U1.8 U1.20 U1.23 U1.35 U1.47 U2.2 USB1.4 | length 6.3
  Top Layer w0.5: v2(26.67,52.705) 26.712,52.747 28.406,52.747 C22.1 ; C19.1 v2(37.465,52.451) ; C10.1 v2(53.467,52.265) ; v2(59.817,52.451) 59.866,52.402 59.866,50.722 C21.2
LED_STLINK: R4.1 U1.30 | length 14.8
  Top Layer w0.254: v1(17.526,40.005) 17.632,40.005 18.363,39.274 19.652,37.985 20.506,37.985 U1.30 ; v1(26.416,40.005) 28.321,40.005 R4.1
  Bottom Layer w0.254: v1(17.526,40.005) v1(26.416,40.005)
NetC1_2: C1.2 U1.5 Y1.2 | length 22.2
  Top Layer w0.254: Y1.2 6.985,26.135 6.985,35.404 6.974,35.415 6.974,40.751 7.851,41.628 C1.2 ; C1.2@8.076,41.703 10.764,39.015 11.706,39.015 U1.5
NetC4_2: C4.2 U1.6 Y1.1 | length 18.8
  Top Layer w0.2: U1.6 11.779,38.542 13.762,38.542 v1(13.843,38.623)
  Top Layer w0.254: Y1.1 C4.2@8.001,35.583
  Bottom Layer w0.2: Y1.1 13.843,35.841 v1(13.843,38.623)
NetC11_2: C11.2 LQFP1.73 | length 22
  Top Layer w0.254: v1(26.162,32.639) 26.271,32.639 26.733,33.102 29.321,33.102 30.198,32.225 C11.2 ; LQFP1.73 37.589,35.587 39.851,35.587 v1(39.878,35.56)
  Bottom Layer w0.254: v1(26.162,32.639) 36.957,32.639 v1(39.878,35.56)
NetC12_1: C12.1 LQFP1.8 Y2.2 | length 30.9
  Top Layer w0.254: LQFP1.8 54.72,38.11 55.776,37.054 72.006,37.054 72.484,36.576 72.771,36.576 72.771,31.115 73.773,30.113 C12.1
NetC13_1: C13.1 LQFP1.9 Y2.1 | length 25.5
  Top Layer w0.254: LQFP1.9 53.389,38.587 54.885,38.587 55.964,37.508 74.379,37.508 75.311,36.576 75.443,36.576 76.106,35.913 C13.1
NetC14_1: C14.1 LQFP1.12 X1.2 | length 30.1
  Top Layer w0.2: v1(50.927,39.624) 51.023,39.72 51.277,39.72 51.667,40.11 LQFP1.12 53.416,40.06 57.095,40.06 57.566,39.589 57.73,39.589 58.18,39.139 C14.1
  Bottom Layer w0.2: v1(50.927,39.624) 51.532,39.624 51.547,39.609 62.024,39.609 62.039,39.624 X1.2
NetC16_1: C16.1 LQFP1.13 X1.1 | length 33.9
  Top Layer w0.254: v1(51.302,40.648) 51.311,40.64 52.482,40.64 52.489,40.633 53.343,40.633 LQFP1.13 53.389,40.633 58.152,40.633 C16.1
  Bottom Layer w0.254: v1(51.302,40.648) 51.311,40.64 76.889,40.64 X1.1
NetC17_2: C17.2 C18.2 LQFP1.21 R20.1 | length 16.7
  Top Layer w0.2: v1(51.562,44.958) 51.697,44.958 52.045,44.61 LQFP1.21 ; R20.1 59.922,45.68 59.922,42.341 C17.2 ; C18.2 59.993,43.942 v1(61.214,43.942)
  Bottom Layer w0.2: v1(51.562,44.958) 60.198,44.958 v1(61.214,43.942)
NetC19_2: C19.2 LQFP1.49 | length 3.6
  Top Layer w0.254: C19.2 37.832,49.657 39.703,49.657 39.943,49.417 39.943,48.563 LQFP1.49
NetC20_1: C20.1 C21.1 L1.2 LQFP1.22 R20.2 | length 17.3
  Top Layer w0.2: R20.2 L1.2 58.166,49.022 C21.1 v1(58.166,51.943)
  Top Layer w0.254: v1(52.07,45.847) 52.155,45.762 52.155,45.467 52.489,45.133 53.343,45.133 LQFP1.22
  Bottom Layer w0.2: v1(52.07,45.847) 52.153,45.93 53.296,45.93 58.083,50.717 58.083,51.86 v1(58.166,51.943)
NetC30_2: C30.2 LQFP1.6 R23.1 | length 11.1
  Top Layer w0.254: v1(51.308,37.084) 51.321,37.097 53.353,37.097 LQFP1.6 ; v1(56.896,36.068) 58.053,36.068 C30.2 R23.1
  Bottom Layer w0.254: v1(51.308,37.084) 55.88,37.084 v1(56.896,36.068)
NetD1_1: D1.1 R4.2 | length 3.1
  Top Layer w0.254: D1.1 29.79,40.769 29.79,40.286 R4.2
NetD3_1: D3.1 R11.2 | length 2.1
  Top Layer w0.254: D3.1 13.944,19.521 R11.2
NetD4_1: D4.1 R22.2 | length 2.6
  Top Layer w0.254: D4.1 20.438,59.314 R22.2
NetR1_1: R1.1 U1.44 | length 4.7
  Top Layer w0.254: U1.44 15.364,45.783 15.937,46.356 16.36,46.779 R1.1
NetR2_2: R2.2 U1.2 | length 8.7
  Top Layer w0.254: U1.2 11.706,40.515 10.852,40.515 10.652,40.715 10.652,43.464 13.529,46.341 13.952,46.764 R2.2
NetR3_2: R3.2 U1.3 | length 8.7
  Top Layer w0.254: R3.2 11.534,46.764 11.111,46.341 11.111,46.191 10.198,45.278 10.198,40.527 10.71,40.015 11.706,40.015 U1.3
NetR7_2: R7.2 R8.1 U1.10 | length 11.6
  Top Layer w0.2: U1.10 11.679,36.442 10.864,36.442 10.679,36.257 10.679,30.723 11.944,29.458 12.707,29.458 12.834,29.33 14.988,29.33 R8.1
NetR9_1: R9.1 U1.25 | length 14.8
  Top Layer w0.254: v1(17.526,35.56) 17.647,35.56 17.745,35.462 U1.25 ; v1(26.162,35.56) 26.9,35.56 28.463,37.123 R9.1
  Bottom Layer w0.254: v1(17.526,35.56) v1(26.162,35.56)
NetR12_1: R12.1 USB1.2 | length 9.4
  Top Layer w0.254: USB1.2 10.384,11.984 16.096,17.696 R12.1
NetR13_1: R13.1 R14.1 USB1.3 | length 13.2
  Top Layer w0.254: USB1.3 11.107,10.868 11.107,11.669 16.257,16.819 17.671,16.819 18.519,17.667 R13.1
  Top Layer w0.3: R13.1 R14.1
NRST: C15.2 LQFP1.14 P1.48 R16.1 SW1.1 | length 50.4
  Top Layer w0.2: v2(51.689,41.783) 52.312,41.16 53.316,41.16 LQFP1.14
  Top Layer w1: C15.2 R16.1 71.36,48.156 72.67,49.466 73.648,49.466 SW1.1
  Bottom Layer w0.5: v2(51.689,41.783) 60.089,41.783 60.597,41.275 68.834,41.275 73.839,46.28 SW1.1
  Bottom Layer w1: SW1.1 73.839,49.792 75.289,51.242 75.289,62.063 73.914,63.438 P1.48
PA0: LQFP1.23 P1.45 | length 25.5
  Top Layer w0.2: LQFP1.23 54.416,45.61 55.715,46.909 55.715,52.898 61.353,58.535 63.996,58.535 66.294,60.833 P1.45
PA1: LQFP1.24 P1.6 | length 27.4
  Top Layer w0.2: LQFP1.24 53.416,46.16 54.231,46.16 55.315,47.244 55.315,53.063 61.197,58.945 63.771,58.945 64.904,60.078 64.904,63.863 66.058,65.017 66.058,65.931 P1.6
PA2: LQFP1.25 P1.44 | length 23
  Top Layer w0.2: LQFP1.25 53.416,46.66 54.016,46.66 54.915,47.559 54.915,53.229 61.041,59.355 63.292,59.355 63.754,59.817 63.754,62.068 P1.44
PA3: LQFP1.26 P1.7 | length 22.7
  Top Layer w0.2: LQFP1.26 51.466,51.974 62.364,62.872 62.364,64.777 P1.7
PA4: LQFP1.29 P1.43 | length 19.7
  Top Layer w0.2: LQFP1.29 49.966,51.04 61.214,62.288 P1.43
PA5: LQFP1.30 P1.8 | length 22.5
  Top Layer w0.2: LQFP1.30 49.466,51.244 59.824,61.602 59.824,64.777 P1.8
PA6: LQFP1.31 P1.42 | length 19.1
  Top Layer w0.2: LQFP1.31 48.966,51.31 58.674,61.018 P1.42
PA7: LQFP1.32 P1.9 | length 21.9
  Top Layer w0.2: LQFP1.32 48.466,51.387 57.284,60.205 57.284,64.777 P1.9
PA8: LQFP1.67 P2.22 | length 34.4
  Top Layer w0.254: P2.22 26.074,9.779 33.693,17.398 33.693,35.875 36.428,38.61 LQFP1.67
PA9: LQFP1.68 P2.29 | length 36.3
  Top Layer w0.254: P2.29 27.271,8.602 27.271,10.334 34.147,17.21 34.147,35.687 36.547,38.087 37.543,38.087 LQFP1.68
PA10: LQFP1.69 P2.21 | length 32.1
  Top Layer w0.254: P2.21 28.589,9.92 28.589,11.01 34.601,17.022 34.601,35.499 36.689,37.587 37.543,37.587 LQFP1.69
PA11: LQFP1.70 P1.27 | length 37
  Top Layer w0.2: LQFP1.70 37.579,37.097 39.992,37.097 v2(40.005,37.084)
  Bottom Layer w0.5: P1.27 20.574,56.896 39.89,37.58 39.89,37.199 v2(40.005,37.084)
PA15: LQFP1.77 P2.31 | length 29.2
  Top Layer w0.254: P2.31 32.351,8.602 32.351,10.5 39.966,18.115 LQFP1.77
PB0: LQFP1.35 P1.40 | length 17.8
  Top Layer w0.2: LQFP1.35 46.966,51.584 53.594,58.212 P1.40
PB1: LQFP1.36 P1.11 | length 20.6
  Top Layer w0.2: LQFP1.36@46.466,48.564 46.466,51.65 52.204,57.388 52.204,64.777 P1.11
PB2: LQFP1.37 P1.39 | length 17.2
  Top Layer w0.2: LQFP1.37 45.966,51.715 51.054,56.803 P1.39
PB3: LQFP1.89 P2.37 | length 26.6
  Top Layer w0.254: LQFP1.89 45.966,11.946 47.405,10.507 47.405,8.416 P2.37
PB4: LQFP1.90 P2.13 | length 23.9
  Top Layer w0.254: LQFP1.90 46.466,12.088 48.768,9.786 P2.13
PB5: LQFP1.91 P2.38 | length 27.2
  Top Layer w0.254: LQFP1.91 46.966,13.486 49.945,10.507 49.945,8.416 P2.38
PB6: LQFP1.92 P2.12 | length 24.6
  Top Layer w0.254: LQFP1.92 47.466,13.628 51.308,9.786 P2.12
PB7: LQFP1.93 P2.39 | length 27.9
  Top Layer w0.254: LQFP1.93 47.966,14.899 52.485,10.38 52.485,8.416 P2.39
PB8: LQFP1.95 P2.10 | length 26
  Top Layer w0.254: LQFP1.95 48.966,19.487 56.388,12.065 P2.10
PB9: LQFP1.96 P2.41 | length 29.3
  Top Layer w0.254: LQFP1.96 49.466,19.735 57.565,11.636 57.565,8.416 P2.41
PB10: LQFP1.47 P1.34 | length 16.2
  Top Layer w0.2: P1.34 38.354,62.288 40.966,59.676 LQFP1.47
PB11: LQFP1.48 P1.18 | length 19.6
  Top Layer w0.2: P1.18 36.796,65.185 37.204,64.777 37.204,62.872 40.466,59.61 LQFP1.48
PB12: LQFP1.51 P1.33 | length 18.5
  Top Layer w0.254: P1.33 35.814,56.43 36.195,56.049 36.195,46.759 36.344,46.61 LQFP1.51
PB13: LQFP1.52 P1.19 | length 22.6
  Top Layer w0.254: P1.19 34.637,64.804 34.637,56.965 35.741,55.861 35.741,46.571 36.202,46.11 LQFP1.52
PB14: LQFP1.53 P1.32 | length 20.7
  Top Layer w0.254: P1.32 33.274,57.686 35.287,55.673 35.287,46.383 36.06,45.61 LQFP1.53
PB15: LQFP1.54 P1.20 | length 24.9
  Top Layer w0.254: P1.20 32.097,64.804 32.097,58.221 34.833,55.485 34.833,46.195 35.918,45.11 LQFP1.54
PC0: LQFP1.15 P1.47 | length 32
  Top Layer w0.2: LQFP1.15 53.403,41.647 55.029,41.647 57.315,43.934 57.315,46.48 57.315,51.325 57.316,51.326 57.316,52.236 62.008,56.928 64.721,56.928 71.374,63.581 P1.47
PC1: LQFP1.16 P1.4 | length 34
  Top Layer w0.2: LQFP1.16 54.925,42.11 56.915,44.1 56.915,46.645 56.915,51.49 56.916,51.491 56.916,51.924 56.916,52.402 61.842,57.328 62.32,57.328 64.555,57.328 69.984,62.757 69.984,64.777 P1.4
PC2: LQFP1.17 P1.46 | length 29.9
  Top Layer w0.2: LQFP1.17 54.86,42.61 56.515,44.265 56.515,51.656 56.516,51.657 56.516,52.09 56.516,52.567 61.677,57.728 62.154,57.728 64.39,57.728 68.834,62.172 P1.46
PC3: LQFP1.18 P1.5 | length 31.9
  Top Layer w0.2: LQFP1.18 53.416,43.16 54.844,43.16 56.115,44.431 56.115,51.822 56.116,51.823 56.116,52.255 56.116,52.733 61.511,58.128 61.989,58.128 64.224,58.128 67.684,61.588 67.684,63.747 67.691,63.754 67.691,65.024 P1.5
PC4: LQFP1.33 P1.41 | length 18.5
  Top Layer w0.2: LQFP1.33 47.966,51.453 56.134,59.621 P1.41
PC5: LQFP1.34 P1.10 | length 21
  Top Layer w0.2: LQFP1.34@47.416,48.768 47.416,51.468 54.744,58.796 54.744,64.777 P1.10
PC6: LQFP1.63 P2.24 | length 40.6
  Top Layer w0.254: P2.24 21.105,10.056 21.105,10.691 22.733,12.319 25.897,12.319 31.728,18.15 31.877,18.299 31.877,36.627 35.86,40.61 LQFP1.63
PC7: LQFP1.64 P2.27 | length 42.2
  Top Layer w0.254: P2.27 22.005,8.416 22.005,10.081 23.789,11.865 26.234,11.865 32.331,17.962 32.331,19.101 32.331,36.439 36.002,40.11 LQFP1.64
PC8: LQFP1.65 P2.23 | length 37.4
  Top Layer w0.254: P2.23 25,11.411 26.422,11.411 32.785,17.774 32.785,18.913 32.785,36.251 36.144,39.61 LQFP1.65
PC9: LQFP1.66 P2.28 | length 39.2
  Top Layer w0.254: P2.28 24.579,8.45 24.579,10.115 25.421,10.957 26.61,10.957 33.239,17.586 33.239,36.063 36.286,39.11 LQFP1.66
PC10: LQFP1.78 P2.19 | length 25.8
  Top Layer w0.254: P2.19 40.466,16.717 LQFP1.78
PC11: LQFP1.79 P2.32 | length 28.6
  Top Layer w0.254: P2.32 34.891,8.602 34.891,10.5 40.966,16.575 LQFP1.79
PC12: LQFP1.80 P2.18 | length 25.2
  Top Layer w0.254: P2.18 41.466,15.177 LQFP1.80
PC13: LQFP1.7 P2.45 | length 37.3
  Top Layer w0.254: LQFP1.7 53.389,37.587 54.311,37.587 57.023,34.875 57.023,21.117 67.725,10.415 67.725,8.416 P2.45
PD0: LQFP1.81 P2.33 | length 27.9
  Top Layer w0.254: P2.33 37.431,8.602 37.431,10.5 41.966,15.035 LQFP1.81
PD1: LQFP1.82 P2.17 | length 24.6
  Top Layer w0.254: P2.17 42.466,13.637 LQFP1.82
PD2: LQFP1.83 P2.34 | length 27.3
  Top Layer w0.254: P2.34 39.971,8.602 39.971,10.5 42.966,13.495 LQFP1.83
PD3: LQFP1.84 P2.16 | length 23.9
  Top Layer w0.254: P2.16 43.466,12.097 LQFP1.84
PD4: LQFP1.85 P2.35 | length 26.7
  Top Layer w0.254: P2.35 42.511,8.602 42.511,10.5 43.966,11.955 LQFP1.85
PD5: LQFP1.86 P2.15 | length 23.3
  Top Layer w0.254: P2.15 43.688,9.964 44.466,10.742 LQFP1.86
PD6: LQFP1.87 P2.36 | length 26
  Top Layer w0.254: P2.36 44.966,8.517 LQFP1.87
PD7: LQFP1.88 P2.14 | length 23.3
  Top Layer w0.254: LQFP1.88 45.466,10.758 46.228,9.996 P2.14
PD8: LQFP1.55 P1.31 | length 22.9
  Top Layer w0.254: P1.31 30.734,58.942 34.379,55.297 34.379,46.007 35.776,44.61 LQFP1.55
PD9: LQFP1.56 P1.21 | length 27.1
  Top Layer w0.254: P1.21 29.557,64.804 29.557,59.477 33.925,55.109 33.925,45.819 35.634,44.11 LQFP1.56
PD10: LQFP1.57 P1.30 | length 25.1
  Top Layer w0.254: P1.30 28.194,60.198 29.103,59.289 33.471,54.921 33.471,45.63 35.491,43.61 LQFP1.57
PD11: LQFP1.58 P1.22 | length 29.3
  Top Layer w0.254: P1.22 27.017,64.804 27.017,60.733 28.649,59.101 33.017,54.733 33.017,45.442 35.349,43.11 LQFP1.58
PD12: LQFP1.59 P1.29 | length 27.3
  Top Layer w0.254: P1.29 25.654,61.454 28.195,58.913 32.563,54.545 32.563,45.254 35.207,42.61 LQFP1.59
PD13: LQFP1.60 P1.23 R22.1 | length 42.6
  Top Layer w0.254: R22.1 20.479,61.2 19.282,62.397 19.282,66.907 19.719,67.344 22.445,67.344 22.752,67.037 22.752,66.921 23.114,66.558 P1.23 24.477,64.804 24.477,61.989 32.109,54.357 32.109,45.066 35.065,42.11 LQFP1.60
PD14: LQFP1.61 P1.28 R21.1 SW2.1 | length 86
  Top Layer w0.254: P1.28 23.272,63.469 23.272,62.552 24.023,61.801 24.023,61.696 31.529,54.19 31.529,45.004 34.923,41.61 LQFP1.61
  Top Layer w0.5: R21.1 71.473,56.792 73.743,59.062 73.743,59.721 SW2.1
  Bottom Layer w0.5: P1.28 26.924,59.817 SW2.1
PD15: LQFP1.62 P1.24 | length 33.7
  Top Layer w0.254: P1.24 21.751,64.99 21.751,63.339 22.183,62.907 22.183,62.894 31.075,54.001 31.075,44.816 34.781,41.11 LQFP1.62
PE0: LQFP1.97 P2.9 | length 26.7
  Top Layer w0.254: LQFP1.97 49.966,19.877 58.566,11.277 58.566,10.533 58.928,10.17 P2.9
PE1: LQFP1.98 P2.42 | length 30.1
  Top Layer w0.254: LQFP1.98 50.466,20.019 60.198,10.287 60.198,8.509 P2.42
PE2: LQFP1.1 P2.8 | length 28.5
  Top Layer w0.254: LQFP1.1 53.389,34.587 53.989,34.587 54.753,33.823 54.753,20.177 61.468,13.462 P2.8
PE3: LQFP1.2 P2.43 | length 32.7
  Top Layer w0.254: LQFP1.2 53.389,35.087 54.243,35.087 55.207,34.123 55.207,20.365 62.645,12.927 62.645,8.416 P2.43
PE4: LQFP1.3 P2.7 | length 30.8
  Top Layer w0.254: LQFP1.3 53.389,35.587 54.385,35.587 55.661,34.311 55.661,20.553 64.008,12.206 P2.7
PE5: LQFP1.4 P2.44 | length 34.9
  Top Layer w0.254: LQFP1.4 54.504,36.11 56.115,34.499 56.115,20.741 65.185,11.671 65.185,8.416 P2.44
PE6: LQFP1.5 P2.6 | length 33
  Top Layer w0.254: LQFP1.5 54.646,36.61 56.569,34.687 56.569,20.929 66.488,11.01 66.488,9.839 P2.6
PE7: LQFP1.38 P1.13 | length 19.8
  Top Layer w0.2: LQFP1.38 45.466,51.816 49.664,56.014 49.664,64.103 48.75,65.017 48.75,65.931 P1.13
PE8: LQFP1.39 P1.38 | length 16.6
  Top Layer w0.2: LQFP1.39 44.966,59.571 48.227,62.832 48.227,63.34 P1.38
PE9: LQFP1.40 P1.14 | length 19.2
  Top Layer w0.2: LQFP1.40 44.466,59.706 47.124,62.364 47.124,64.103 46.21,65.017 46.21,65.931 P1.14
PE10: LQFP1.41 P1.37 | length 15.9
  Top Layer w0.2: LQFP1.41 43.966,59.783 45.974,61.791 P1.37
PE11: LQFP1.42 P1.15 | length 18.6
  Top Layer w0.2: P1.15 43.67,65.931 43.67,65.017 44.584,64.103 44.584,60.967 43.466,59.849 LQFP1.42
PE12: LQFP1.43 P1.36 | length 15.3
  Top Layer w0.2: LQFP1.43 42.966,59.944 43.434,60.412 P1.36
PE13: LQFP1.44 P1.16 | length 18.3
  Top Layer w0.2: P1.16 41.13,65.931 41.13,65.017 42.164,63.983 42.164,60.256 42.416,60.004 42.416,48.59 LQFP1.44
PE14: LQFP1.45 P1.35 | length 15.5
  Top Layer w0.2: P1.35 40.894,60.96 41.916,59.938 41.916,49.307 41.916,48.59 LQFP1.45
PE15: LQFP1.46 P1.17 | length 18.9
  Top Layer w0.2: P1.17 39.744,64.777 39.744,61.463 41.466,59.741 LQFP1.46
ST_SWCLK: HD1.3 U1.37 | length 25.5
  Top Layer w0.254: HD1.3 18.864,53.653 U1.37
ST_SWDIO: HD1.4 U1.34 | length 31.9
  Top Layer w0.2: HD1.4 19.304,55.753 19.479,55.578 19.479,40.197 19.664,40.012 20.479,40.012 U1.34
STM_rst: C5.1 R5.2 U1.7 | length 15.5
  Top Layer w0.2: U1.7 11.748,37.973 v1(15.875,37.973) ; v1(17.018,30.607) 17.018,29.455 C5.1 R5.2
  Bottom Layer w0.2: v1(15.875,37.973) 15.875,31.75 v1(17.018,30.607)
SWCLK: LQFP1.76 P2.20 R10.2 | length 37.7
  Top Layer w0.254: v2(28.321,17.145) 28.321,17.263 30.085,19.027 R10.2 ; P2.20 39.466,18.257 LQFP1.76
  Bottom Layer w0.254: v2(28.321,17.145) 28.321,12.446 P2.20
SWDIO: LQFP1.72 P2.30 R6.2 | length 70.8
  Top Layer w0.254: v1(26.162,34.163) 26.184,34.163 26.69,33.657 29.336,33.657 30.213,34.534 R6.2 ; P2.30 29.811,8.602 29.811,11.59 35.055,16.834 35.055,34.453 36.689,36.087 37.543,36.087 LQFP1.72
  Bottom Layer w0.254: v1(26.162,34.163) 26.077,34.078 25.442,34.078 24.731,33.367 24.731,6.751 25.42,6.062 27.271,6.062 P2.30
T_JTCK: R10.1 U1.15 U1.26 | length 36.5
  Top Layer w0.254: U1.15 14.387,33.85 14.387,35.977 15.663,37.253 17.441,37.253 v1(17.526,37.338) 18.902,35.962 U1.26 ; v1(25.019,37.338) 25.019,35.401 24.977,35.359 24.977,22.685 28.335,19.327 R10.1
  Bottom Layer w0.254: v1(17.526,37.338) v1(25.019,37.338)
T_JTMS: R6.1 R9.2 U1.27 | length 20.6
  Top Layer w0.254: v1(17.526,38.608) 17.529,38.608 19.652,36.485 20.506,36.485 U1.27 ; v1(26.416,38.608) 29.028,38.608 30.213,37.423 R9.2 30.213,37.123 28.855,35.765 28.855,35.076 R6.1
  Bottom Layer w0.254: v1(17.526,38.608) 21.505,38.608 21.526,38.629 25.299,38.629 25.32,38.608 v1(26.416,38.608)
USB_DM: R12.2 U1.32 | length 22.7
  Top Layer w0.254: R12.2 16.341,19.446 21.606,24.711 21.606,38.739 21.406,38.939 20.552,38.939 U1.32
USB_DP: R13.2 U1.33 | length 22.8
  Top Layer w0.254: U1.33 20.552,39.439 21.548,39.439 22.06,38.927 22.06,23.368
  Top Layer w0.3: R13.2 18.819,19.417 19.219,19.817 19.219,19.967 22.06,22.808 22.06,23.368
V_USB: D2.1 R11.1 USB1.1 | length 11.6
  Top Layer w0.254: D2.1 7.747,14.546 9.734,12.559 ; USB1.1 9.734,12.559 ; R11.1 14.019,16.844 9.734,12.559
pads on no net: LQFP1.71 P2.4 P2.5 P2.11 P2.46 P2.47 SW1.2 SW1.4 SW2.2 SW2.4 U1.4 U1.11 U1.12 U1.13 U1.14 U1.16 U1.17 U1.18 U1.19 U1.21 U1.22 U1.28 U1.29 U1.31 U1.38 U1.39 U1.40 U1.41 U1.42 U1.43 U1.45 U1.46 U2.4 USB1. USB1.5 Y2.0

## Polygon pours and split planes (outlines as drawn)
GND on Top Layer "GND_L01_P000" (solid, pour order 0): 0,0 90.043,0 90.043,72.009 0,72.009
GND on Bottom Layer "GND_L02_P001" (solid, pour order 1): 0,72.009 90.043,72.009 90.043,0 0,0

## Keep-outs
Keep-Out Layer:
  lines w1: 0,0 0,72 90,72 90,0 0,0

## Text inside footprints (layer, text, board x,y; h text height)
HD1: Mechanical 2 "4" at 8.89,66.167 h0.8 r90; Mechanical 2 "1" at 8.89,58.547 h0.8 r90
LQFP1: Mechanical 2 "1" at 51.866,35.14 h0.8 r180; Mechanical 2 "26" at 51.366,47.44 h0.8 r180; Mechanical 2 "100" at 51.466,34.34 h0.8 r180; Mechanical 2 "76" at 39.966,34.34 h0.8 r180; Mechanical 2 "51" at 38.816,46.54 h0.8 r270; Mechanical 2 "25" at 51.566,46.74 h0.8 r270; Mechanical 2 "50" at 40.066,47.44 h0.8 r180; Mechanical 2 "75" at 38.686,35.44 h0.8 r270
P1: Mechanical 1 "1" at 77.814,65.397 h0.8 r270; Mechanical 1 "50" at 77.514,64.697 h0.8 r270; Mechanical 1 "26" at 19.014,64.797 h0.8 r270; Mechanical 1 "25" at 19.014,65.897 h0.8 r270
P2: Mechanical 1 "25" at 19.268,9.509 h0.8 r270; Mechanical 1 "26" at 19.268,8.409 h0.8 r270; Mechanical 1 "50" at 77.768,8.309 h0.8 r270; Mechanical 1 "1" at 78.068,9.009 h0.8 r270
U1: Top Overlay "f103" at 14.359,37.747 h0.8; Mechanical 1 "48" at 12.949,41.167 h0.8; Mechanical 1 "37" at 18.119,41.137 h0.8; Mechanical 1 "36" at 19.529,40.477 h0.8 r90; Mechanical 1 "25" at 19.559,35.307 h0.8 r90; Mechanical 1 "24" at 18.949,34.797 h0.8 r90; Mechanical 1 "13" at 13.919,35.527 h0.8 r270; Mechanical 1 "12" at 12.839,35.257 h0.8; Mechanical 1 "1" at 12.749,40.797 h0.8
U2: Mechanical 2 "1" at 77.585,13.042 h0.8 r90; Mechanical 2 "3" at 77.58,14.943 h0.8 r90; Mechanical 2 "4" at 76.461,14.914 h0.8 r90; Mechanical 2 "5" at 76.499,13.023 h0.8 r90
USB1: Mechanical 2 "1" at 9.634,9.795 h0.8; Mechanical 2 "5" at 12.034,9.795 h0.8